# Altium PCB HIVE_BOARD.PcbDoc (part 8 of 9)
Units mil, origin at the board's own origin, x right, y up, seen from the top; angles counter-clockwise.
Board outline 4330.71 x 4330.71 mil, 8 copper layers (Top, GND_1, Signal_1, GND_2, PWR, Signal_2, GND_3, Bottom), stack 62.994 mil thick; 660 components, 468 nets, 2497 pads, 1806 vias.
Unrouted connection lines stored in the file: 30.
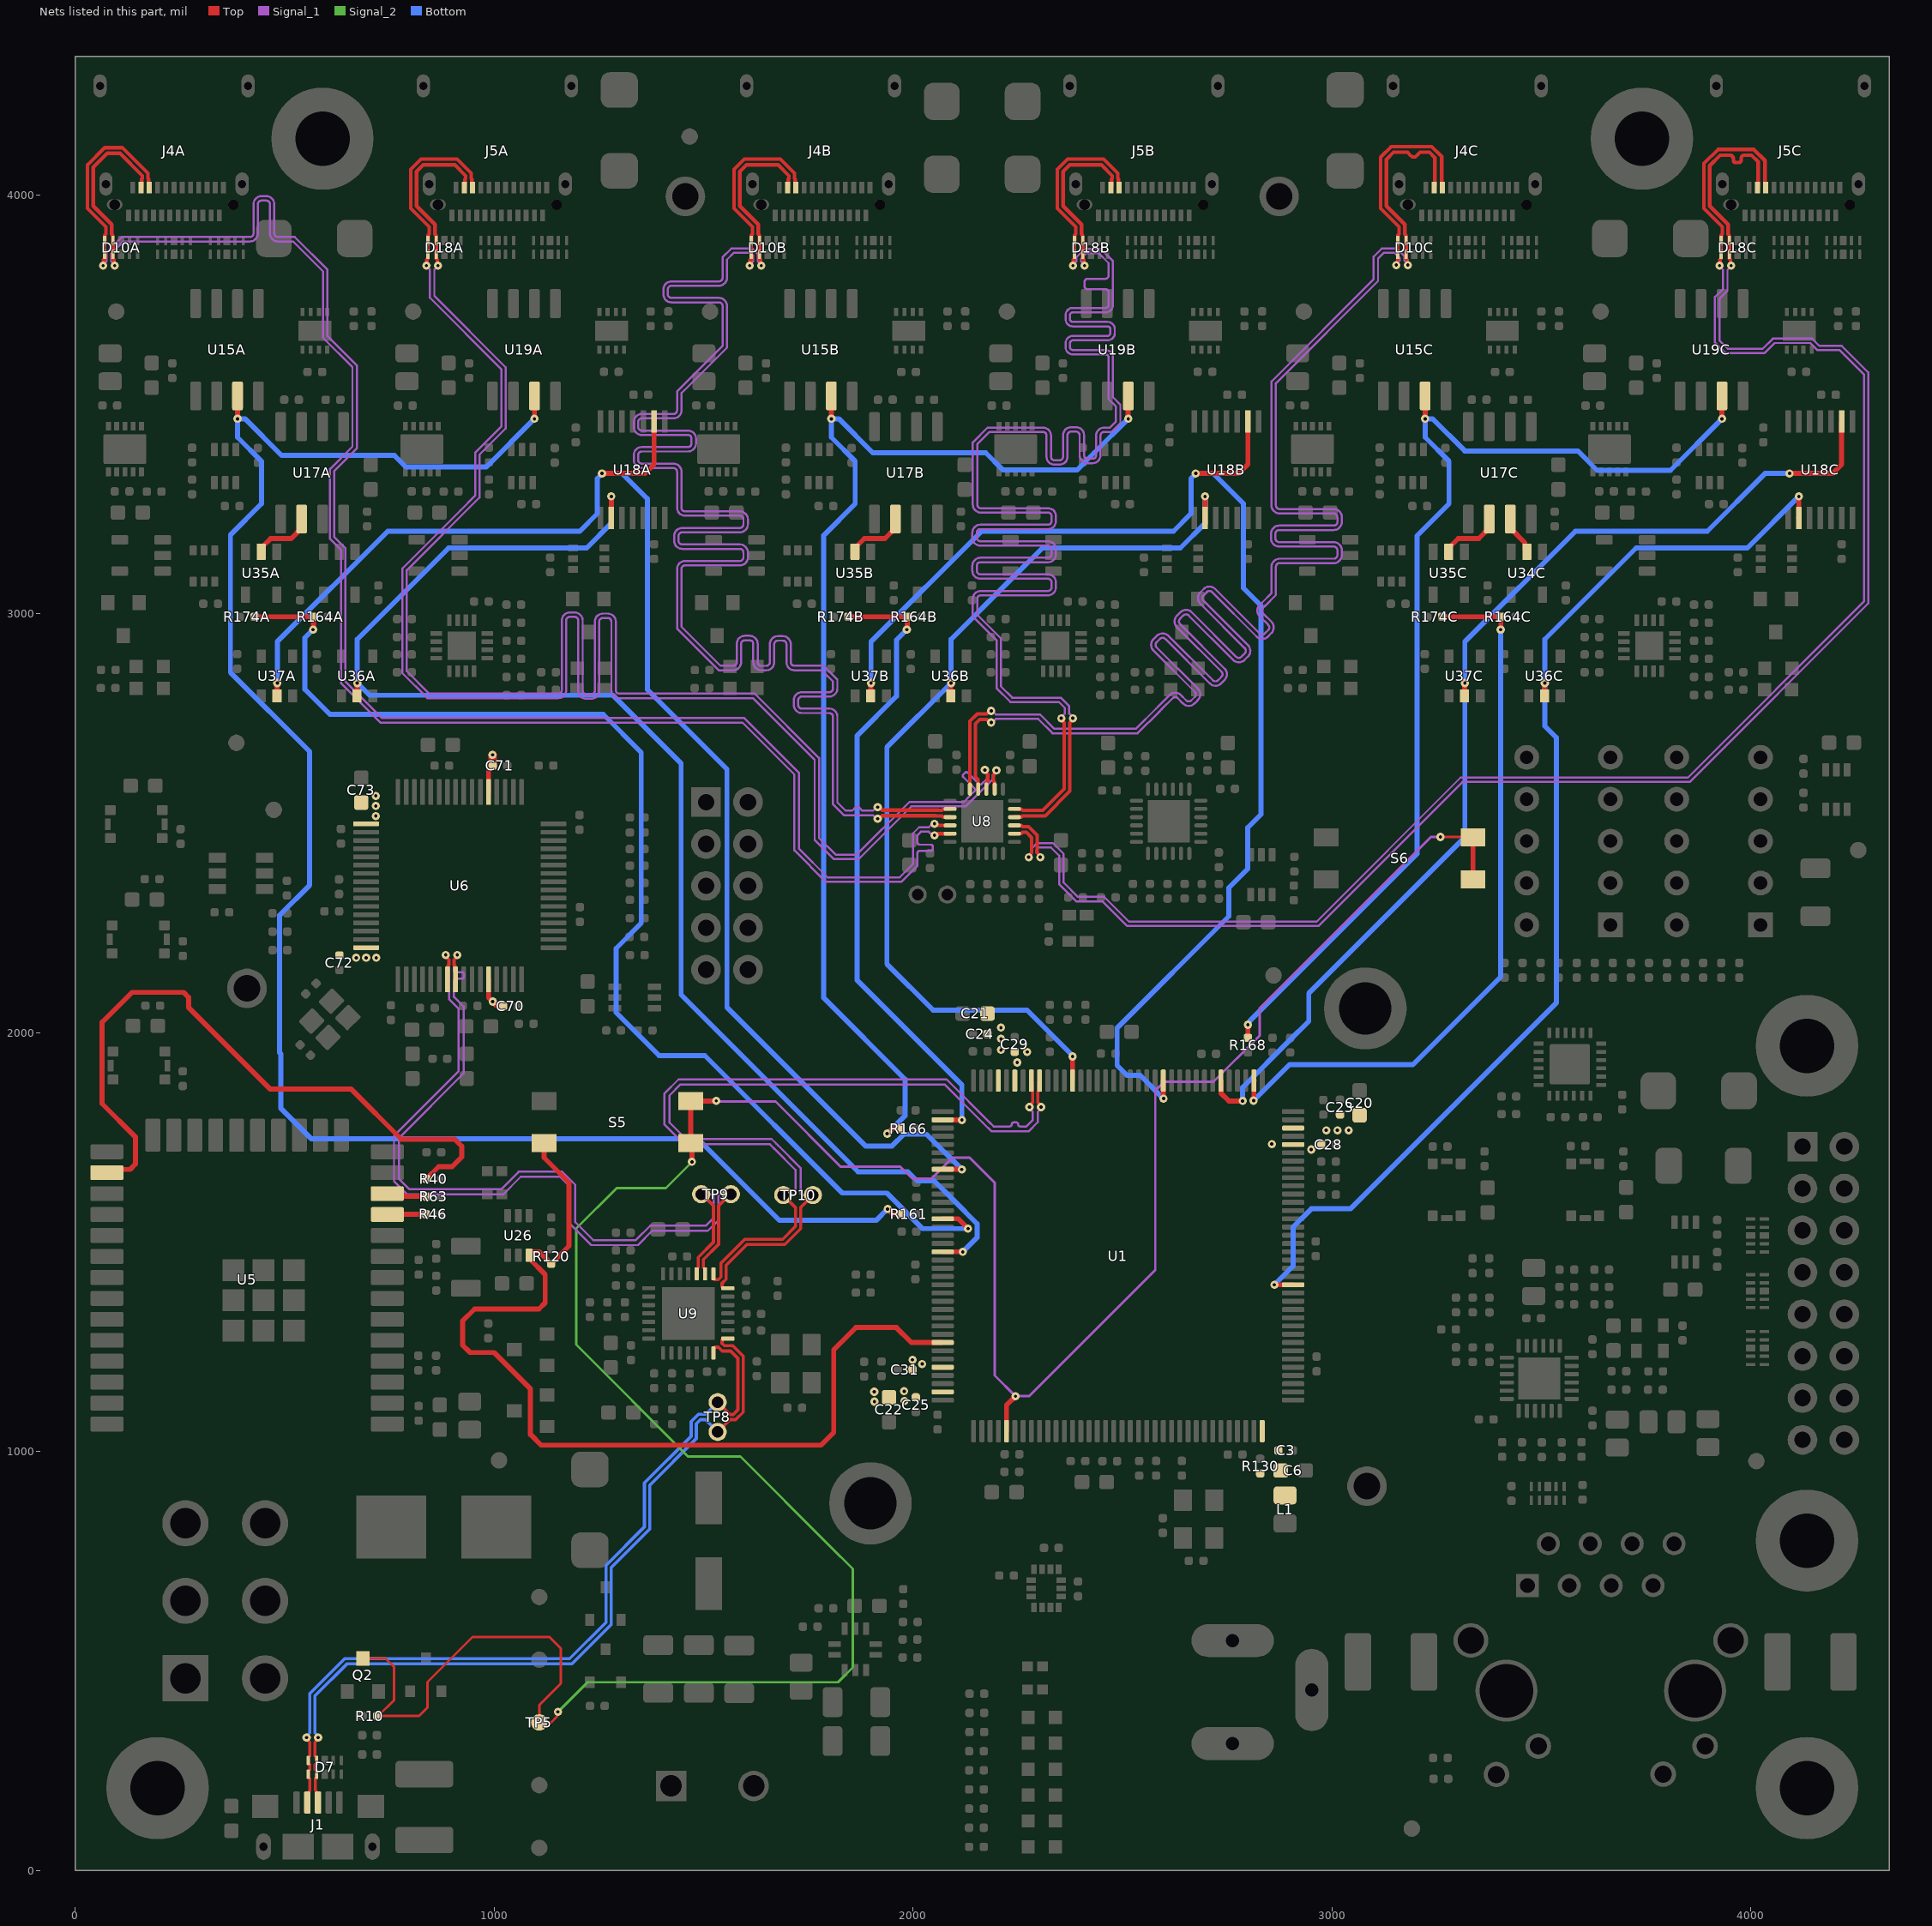
[diagram p14: the nets of this part, all layers, seen from the top]

## Via types
v1: diameter 19.68, hole 7.87, Top to Bottom, tented both sides, 1753 vias
v2: diameter 19.68, hole 7.87, Top to Bottom, 41 vias
v3: diameter 21.65, hole 7.87, Top to Bottom, tented both sides, 7 vias
v4: diameter 19.68, hole 7.87, Top to Bottom, tented bottom, 5 vias

## Nets (pads, with @x,y where several pads share a name; then routed paths per layer and width w, separated by ;. In a path a pad name is that pad's centre, name@x,y a point inside that pad or via, vN(x,y) a via of type N, cw(c..) or ccw(c..) an arc to the next point about the centre after c; other vN are vias at no path point) (continued)
SPI_MISO_0C: U17C.7 U34C.2 | length 94.6
  Top w12: U17C.7@3425.58,3226.05 3425.58,3204.4 3460.64,3169.34 3460.64,3152.76 U34C.2@3465.47,3147.93
SPI_MISO_1A: U17A.6 U35A.2 | length 146.9
  Top w12: U35A.2@444.24,3147.93 444.24,3156.79 466.87,3179.43 515.97,3179.43 540.94,3204.4 U17A.6@540.94,3226.05
SPI_MISO_1B: U17B.6 U35B.2 | length 146.9
  Top w12: U35B.2@1861.56,3147.93 1861.56,3156.79 1884.2,3179.43 1933.29,3179.43 1958.26,3204.4 U17B.6@1958.26,3226.05
SPI_MISO_1C: U17C.6 U35C.2 | length 146.9
  Top w12: U35C.2@3278.88,3147.93 3278.88,3156.79 3301.52,3179.43 3350.62,3179.43 3375.58,3204.4 U17C.6@3375.58,3226.05
SPI_MISO_A: R164A.2 R174A.2 U1.122 | length 2957.7
  Top w12: R174A.2@428.32,2992.75 R164A.2@568.82,2992.75 568.82,2961.94 v1(568.13,2961.94) ; U1.122@2070.91,1555.68 2108.11,1555.68 v1(2131.59,1532.19)
  Bottom w12: v1(568.13,2961.94) 548.6,2942.41 548.6,2819.53 608.42,2759.7 1260.62,2759.7 1351.48,2668.85 1351.48,2261.2 1291.39,2201.11 1291.39,2048.11 1394.19,1945.31 1503.36,1945.31 1831.4,1617.27 1937.53,1617.27 2022.61,1532.19 v1(2131.59,1532.19)
SPI_MISO_B: R164B.2 R174B.2 U1.110 | length 1541.1
  Top w12: R174B.2@1845.65,2992.75 R164B.2@1986.15,2992.75 1986.15,2961.94 v1(1985.45,2961.94) ; U1.110@2070.91,1791.9 2071.01,1791.81 2116.53,1791.81 v1(2116.85,1791.48)
  Bottom w12: v1(1985.45,2961.94) 1961.02,2937.5 1961.02,2803.01 1867,2709 1867,2124.96 2116.85,1875.11 v1(2116.85,1791.48)
SPI_MISO_C: R164C.2 R174C.2 U1.74 | length 1761
  Top w12: v1(2813.09,1837.66) 2813.93,1838.5 2813.93,1885.31 U1.74@2814.02,1885.4 ; R174C.2@3262.97,2992.75 R164C.2@3403.47,2992.75 3403.47,2961.94 v1(3402.77,2961.94)
  Bottom w12: v1(2813.09,1837.66) 2899.08,1923.66 3193.3,1923.66 3402.77,2133.13 v1(3402.77,2961.94)
SPI_MOSI_A: R161.1 U15A.3 U19A.3 | length 4333.4
  Top w12: U15A.3@387.74,3519.86 U15A.3@387.82,3519.78 387.82,3465.29 v1(387.91,3465.21) ; U19A.3@1096.4,3519.86 U19A.3@1096.49,3519.78 1096.49,3465.29 v1(1096.57,3465.21) ; v1(1939.53,1579.12) v1@1939.85,1579.12 ; v1@1941.78,1579.12 v1@1939.85,1579.12 ; R161.1@1972.59,1566.89 1972.5,1566.97 1951.99,1566.97 v1@1939.85,1579.12
  Bottom w12: v1(1096.57,3465.21) 981.36,3350 790,3350 762.11,3377.89 492.97,3377.89 405.65,3465.21 v1(387.91,3465.21) 387.91,3420.94 444.88,3363.97 444.88,3262.1 370.93,3188.15 370.93,2859.88 560.03,2670.77 560.03,2352.2 490.92,2283.09 488.1,2280.27 488.1,1952.08 490.92,1949.25 490.92,1819.83 564.49,1746.26 1486.92,1746.26 1681.32,1551.86 1912.28,1551.86 v1(1939.53,1579.12)
SPI_MOSI_B: R166.2 U15B.3 U19B.3 | length 2818.6
  Top w12: U15B.3@1805.06,3519.86 U15B.3@1805.15,3519.78 1805.15,3465.29 v1(1805.23,3465.21) ; v1(1938.53,1758.86) v1@1938.85,1758.86 ; v1@1940.78,1758.86 v1@1938.85,1758.86 ; R166.2@1971.59,1771.09 R166.2@1971.5,1771 1950.99,1771 v1@1938.85,1758.86 ; U19B.3@2513.72,3519.86 U19B.3@2513.81,3519.78 2513.81,3465.29 v1(2513.89,3465.21)
  Bottom w12: v1(1938.53,1758.86) 1981.06,1801.39 1981.06,1888.78 1787.09,2082.74 1787.09,3187 1862.2,3262.1 1862.2,3363.97 1805.23,3420.94 v1(1805.23,3465.21) 1822.98,3465.21 1904.09,3384.1 2173.9,3384.1 2215.16,3342.84 2391.52,3342.84 2432.78,3384.1 v1(2513.89,3465.21)
SPI_MOSI_C: R168.1 U15C.3 U19C.3 | length 2619.9
  Top w12: R168.1@2799.53,1987.65 v1@2799.53,2018.69 ; U15C.3@3222.39,3519.86 U15C.3@3222.47,3519.78 3222.47,3465.29 v1(3222.55,3465.21) ; U19C.3@3931.05,3519.86 U19C.3@3931.13,3519.78 3931.13,3465.29 v1(3931.21,3465.21)
  Bottom w12: v1(2799.65,2018.81) 2799.65,2020.89 2803.49,2024.73 2803.49,2027.3 3203,2426.81 3203,3185.58 3279.52,3262.1 3279.52,3363.97 3222.55,3420.94 v1(3222.55,3465.21) 3240.3,3465.21 3317.1,3388.41 3586.97,3388.41 3633.26,3342.12 3808.12,3342.12 v1(3931.21,3465.21)
SPI_nCS_0A: U1.126 U18A.2 U36A.2 | length 3439
  Top w12: U36A.2@673,2803.76 v1@673,2834.57 ; U18A.2@1279.72,3228.34 1280,3228.62 v1(1280,3280) ; U1.126@2070.91,1476.94 2071.01,1476.85 2118.81,1476.85 v1(2118.96,1476.7)
  Bottom w12: v1(1280,3280) 1280,3215.82 1221.18,3157 891.71,3157 673.7,2938.99 v1(673.7,2834.57) 702.94,2805.33 1284.05,2805.33 1446.53,2642.85 1446.53,2090.54 1725.4,1811.67 1869.07,1668 1988,1668 2009.75,1646.25 2050.54,1646.25 2097.16,1599.63 2153,1543.79 2153,1510.74 v1(2118.96,1476.7)
SPI_nCS_0B: U1.96 U18B.2 U36B.2 | length 2299.9
  Top w12: U36B.2@2090.32,2803.76 v1@2090.32,2834.57 ; U1.96@2380.95,1885.4 2381,1885.45 v1(2381,1943) ; U18B.2@2697.04,3228.34 2697.32,3228.62 v1(2697.32,3280)
  Bottom w12: v1(2381,1943) 2381,1945 2272.47,2053.53 2048.06,2053.53 1937.77,2163.82 1937.77,2681.32 v1(2091.02,2834.57) 2091.02,2938.99 2234.74,3082.71 2309.03,3157 2638.5,3157 2697.32,3215.82 v1(2697.32,3280)
SPI_nCS_0C: U1.51 U18C.2 U36C.2 | length 2760.8
  Top w12: v1@2862.71,1398.2 U1.51@2907.53,1398.2 U1.51@2907.61,1398.12 ; U36C.2@3507.65,2803.76 v1@3507.65,2834.57 ; U18C.2@4114.36,3228.34 4114.65,3228.62 v1(4114.65,3280)
  Bottom w12: v1(2862.59,1398.07) 2907.18,1442.67 2907.18,1535.76 2950.85,1579.43 3044.27,1579.43 3535.58,2070.74 3535.58,2175.08 3535.58,2704.35 3508.34,2731.59 v1(3508.34,2834.57) 3508.34,2938.99 3726.35,3157 3991.65,3157 v1(4114.65,3280)
SPI_nCS_1A: U1.116 U18A.9 U37A.2 | length 3573.3
  Top w12: U37A.2@482,2803.76 v1@482,2834.57 ; v1(1257.65,3334.63) 1360.19,3334.63 1382.08,3356.52 U18A.9@1382.08,3458.65 U18A.9@1383,3457.73 ; U1.116@2070.91,1673.79 2071.01,1673.7 2116.4,1673.7 v1(2116.67,1673.42)
  Bottom w12: v1(482.7,2834.57) 482.7,2933.14 746.55,3197 1204.74,3197 1246.33,3238.59 1246.33,3322.78 1257.65,3334.09 v1(1257.65,3334.63) 1305.84,3334.63 1366.22,3274.25 1366.22,2818.66 1556.17,2628.72 1556.17,2060.21 1886.83,1729.54 1950.21,1729.54 1978.14,1757.48 2032.62,1757.48 v1(2116.67,1673.42)
SPI_nCS_1B: U1.85 U18B.9 U37B.2 | length 3187.1
  Top w12: U37B.2@1899.32,2803.76 v1@1899.32,2834.57 ; U1.85@2597.49,1885.4 2597.58,1885.31 2597.58,1843.17 v1(2598.18,1842.57) ; v1(2674.97,3334.63) 2777.51,3334.63 2799.4,3356.52 U18B.9@2799.4,3458.65
  Bottom w12: v1(1900.02,2834.57) 1900.02,2933.14 2163.87,3197 2622.07,3197 2663.68,3238.61 2663.68,3322.78 2674.97,3334.07 v1(2674.97,3334.63) 2717.2,3334.63 2788.91,3262.92 2788.91,3061.1 2830.75,3019.26 2830.75,2520.9 2799.11,2489.26 2799.11,2390.86 2754,2345.75 2754,2277.96 2487.43,2011.39 2487.43,1921.46 2510.73,1898.16 2542.58,1898.16 v1(2598.18,1842.57)
SPI_nCS_1C: U1.78 U18C.9 U37C.2 | length 2614
  Top w12: U1.78@2735.28,1885.4 2735.28,1855.72 2754,1837 v1(2787,1837) ; U37C.2@3316.65,2803.76 v1@3316.65,2834.57 ; v1(4092.29,3334.63) 4194.84,3334.63 4216.73,3356.52 U18C.9@4216.73,3458.65 U18C.9@4217.65,3457.73
  Bottom w12: v1(2787,1837) 2787,1869.24 2899.08,1981.32 2944.89,2027.13 2944.89,2093.89 3317.34,2466.34 3317.34,2933.14 3581.2,3197 3896.25,3197 4033.89,3334.63 v1(4092.29,3334.63)
  other v1: 3317.34,2834.57
SYNC_0A_N: D10A.5 D10A.6 J4A.B3 U8.4 | length 4147.8
  Top w8.5: v1(66.88,3830.91) 68.08,3832.1 68.08,3844.66 D10A.6@70.87,3847.45 ; 71.18,3844.55 71.18,3857.27 D10A.6@70.87,3857.58 D10A.5@70.87,3890.45 71.18,3890.77 71.18,3903.48 73.96,3906.26 73.96,3923.46 29.9,3967.53 29.9,4071.19 71.09,4112.39 112.74,4112.39 174.06,4051.07 174.06,4038.44 175.5,4037 175.5,4018.97 J4A.B3@177.16,4017.31 ; v1(2051.36,2498.59) 2054.92,2498.59 2058.9,2494.61 U8.4@2088.74,2494.61
  Signal_1 w5: v1(66.88,3830.91) 66.88,3832.6 75.46,3841.18 75.46,3862.94 111.52,3899 393.36,3899 409.32,3899 417.07,3899 ccw(c417.07,3907.7) 425.77,3907.7 425.77,3977.23 cw(c444.97,3977.23) 444.97,3996.43 456.57,3996.43 cw(c456.57,3977.23) 475.77,3977.23 475.77,3907.7 ccw(c484.47,3907.7) 484.47,3899 509.93,3899 524.58,3899 602.55,3821.03 602.55,3662.81 672.56,3592.79 672.56,3394.66 619.03,3341.13 619.03,3182.8 645.03,3156.81 645.03,2838.59 732.92,2750.7 1597.3,2750.7 1727.62,2620.38 1727.62,2439.38 1796.6,2370.4 1968.11,2370.4 2000.3,2402.6 2000.3,2475.86 2014.45,2490.01 2037.88,2490.01 v1@2046.45,2498.59
SYNC_0A_P: D10A.4 D10A.7 J4A.B2 U8.5 | length 4147.8
  Top w8.5: v1(94.54,3830.91) 93.34,3832.1 93.34,3844.66 90.55,3847.45 D10A.7@90.55,3857.58 D10A.4@90.55,3890.45 90.24,3890.77 90.24,3903.48 87.46,3906.26 87.46,3929.06 43.4,3973.12 43.4,4065.6 76.69,4098.89 107.15,4098.89 160.56,4045.48 160.56,4038.44 159.13,4037 159.13,4018.97 J4A.B2@157.47,4017.31 ; v1(2051.36,2470.94) 2054.92,2470.94 2058.9,2474.92 U8.5@2088.74,2474.92
  Signal_1 w5: v1(94.54,3830.91) 94.54,3832.6 85.96,3841.18 85.96,3858.59 115.87,3888.5 409.32,3888.5 417.07,3888.5 ccw(c417.07,3907.7) 436.27,3907.7 436.27,3977.23 cw(c444.97,3977.23) 444.97,3985.93 456.57,3985.93 cw(c456.57,3977.23) 465.27,3977.23 465.27,3907.7 ccw(c484.47,3907.7) 484.47,3888.5 509.93,3888.5 520.23,3888.5 592.05,3816.68 592.05,3658.46 662.06,3588.44 662.06,3399.01 608.53,3345.48 608.53,3178.45 634.53,3152.46 634.53,2834.24 728.57,2740.2 1592.96,2740.2 1717.12,2616.03 1717.12,2435.03 1792.25,2359.9 1972.46,2359.9 2010.8,2398.25 2010.8,2411.17 2010.8,2428.67 cw(c2015.8,2428.67) 2015.8,2433.67 2042.96,2433.67 ccw(c2042.96,2438.17) 2047.46,2438.17 2047.46,2444.17 ccw(c2042.96,2444.17) 2042.96,2448.67 2015.8,2448.67 cw(c2015.8,2453.67) 2010.8,2453.67 2010.8,2461.22 2010.8,2471.51 2018.8,2479.51 2037.88,2479.51 v1@2046.45,2470.94
SYNC_0B_N: D10B.5 D10B.6 J4B.B3 U8.2 | length 4191.7
  Top w8.5: v1(1610.19,3830.92) 1611.39,3832.12 1611.39,3844.68 1614.18,3847.46 D10B.6@1614.18,3857.59 ; 1614.49,3844.57 1614.49,3857.28 D10B.6@1614.18,3857.59 ; J4B.B3@1720.47,4017.33 1718.81,4018.98 1718.81,4037.01 1717.38,4038.45 1717.38,4051.08 1683.63,4084.83 1597.17,4084.83 1573.21,4060.87 1573.21,3967.54 1617.27,3923.48 1617.27,3906.27 1614.49,3903.49 1614.49,3890.78 D10B.5@1614.17,3890.45 D10B.6@1614.18,3857.59 ; v1(1915.77,2538.24) 1919.33,2538.24 1926.41,2531.17 2059.96,2531.17 2060.24,2530.88 2069.51,2530.88 2072.35,2533.72 2088.48,2533.72 U8.2@2088.74,2533.98
  Signal_1 w5: v1(1610.19,3830.92) 1610.19,3832.62 1618.77,3841.19 1618.77,3854.86 1612.49,3861.14 1572.01,3861.14 1556.01,3845.15 1556.01,3824.63 1556.01,3801.9 cw(c1536.81,3801.9) 1536.81,3782.7 1423.55,3782.7 ccw(c1423.55,3774) 1414.85,3774 1414.85,3762.4 ccw(c1423.55,3762.4) 1423.55,3753.7 1536.81,3753.7 cw(c1536.81,3734.5) 1556.01,3734.5 1556.01,3726.74 1556.01,3634.92 1453.7,3532.61 1447.4,3526.31 1447.4,3485.36 cw(c1428.2,3485.36) 1428.2,3466.16 1352.79,3466.16 ccw(c1352.79,3457.46) 1344.09,3457.46 1344.09,3445.86 ccw(c1352.79,3445.86) 1352.79,3437.16 1462.85,3437.16 cw(c1462.85,3417.96) 1482.05,3417.96 1482.05,3406.36 cw(c1462.85,3406.36) 1462.85,3387.16 1352.79,3387.16 ccw(c1352.79,3378.46) 1344.09,3378.46 1344.09,3366.86 ccw(c1352.79,3366.86) 1352.79,3358.16 1428.2,3358.16 cw(c1428.2,3338.96) 1447.4,3338.96 1447.4,3299.06 1447.4,3260.71 1447.4,3252.96 ccw(c1456.1,3252.96) 1456.1,3244.26 1586.74,3244.26 cw(c1586.74,3225.06) 1605.94,3225.06 1605.94,3213.46 cw(c1586.74,3213.46) 1586.74,3194.26 1449.22,3194.26 ccw(c1449.22,3185.56) 1440.52,3185.56 1440.52,3173.96 ccw(c1449.22,3173.96) 1449.22,3165.26 1586.74,3165.26 cw(c1586.74,3146.06) 1605.94,3146.06 1605.94,3134.46 cw(c1586.74,3134.46) 1586.74,3115.26 1456.1,3115.26 ccw(c1456.1,3106.56) 1447.4,3106.56 1447.4,3081.94 1447.4,2968.99 1540.81,2875.59 1562.93,2875.59 1570.69,2875.59 ccw(c1570.69,2884.29) 1579.39,2884.29 1579.39,2927.97 cw(c1598.59,2927.97) 1598.59,2947.17 1610.19,2947.17 cw(c1610.19,2927.97) 1629.39,2927.97 1629.39,2884.14 ccw(c1638.09,2884.14) 1638.09,2875.44 1649.69,2875.44 ccw(c1649.69,2884.14) 1658.39,2884.14 1658.39,2927.14 cw(c1677.59,2927.14) 1677.59,2946.34 1689.19,2946.34 cw(c1689.19,2927.14) 1708.39,2927.14 1708.39,2884.29 ccw(c1717.09,2884.29) 1717.09,2875.59 1776.23,2875.59 1786.42,2875.59 1811.47,2850.54 1819.6,2842.4 1819.6,2821.52 cw(c1800.4,2821.52) 1800.4,2802.32 1734.95,2802.32 ccw(c1734.95,2793.62) 1726.25,2793.62 1726.25,2782.02 ccw(c1734.95,2782.02) 1734.95,2773.32 1800.4,2773.32 cw(c1800.4,2754.12) 1819.6,2754.12 1819.6,2746.37 1819.6,2549.59 1839.52,2529.67 1854.99,2529.67 1859.49,2534.17 1859.49,2534.48 1863.99,2538.98 1869.99,2538.98 1874.49,2534.48 1874.49,2534.17 1878.99,2529.67 1896.49,2529.67 1904.52,2529.67 1913.09,2538.24 v1(1915.77,2538.24)
SYNC_0B_P: D10B.4 D10B.7 J4B.B2 U8.3 | length 4191.7
  Top w8.5: 1633.55,3844.57 1633.55,3857.28 D10B.7@1633.86,3857.59 ; v1(1637.85,3830.92) 1636.65,3832.12 1636.65,3844.68 1633.86,3847.46 D10B.7@1633.86,3857.59 ; J4B.B2@1700.78,4017.33 1702.44,4018.98 1702.44,4037.01 1703.88,4038.45 1703.88,4045.49 1678.04,4071.33 1602.76,4071.33 1586.71,4055.28 1586.71,3973.13 1630.77,3929.07 1630.77,3906.27 1633.55,3903.49 1633.55,3890.78 D10B.4@1633.86,3890.45 D10B.7@1633.86,3857.59 ; v1(1915.77,2510.59) 1919.33,2510.59 1926.41,2517.67 2054.37,2517.67 2054.65,2517.38 2069.51,2517.38 2072.35,2514.55 2088.48,2514.55 U8.3@2088.74,2514.29
  Signal_1 w5: v1(1637.85,3830.92) 1637.85,3832.62 1629.27,3841.19 1629.27,3859.21 1616.84,3871.64 1566.59,3871.64 1545.51,3850.56 1545.51,3824.63 1545.51,3801.9 cw(c1536.81,3801.9) 1536.81,3793.2 1423.55,3793.2 ccw(c1423.55,3774) 1404.35,3774 1404.35,3762.4 ccw(c1423.55,3762.4) 1423.55,3743.2 1536.81,3743.2 cw(c1536.81,3734.5) 1545.51,3734.5 1545.51,3726.74 1545.51,3639.27 1438.86,3532.61 1436.9,3530.66 1436.9,3485.36 cw(c1428.2,3485.36) 1428.2,3476.66 1352.79,3476.66 ccw(c1352.79,3457.46) 1333.59,3457.46 1333.59,3445.86 ccw(c1352.79,3445.86) 1352.79,3426.66 1462.85,3426.66 cw(c1462.85,3417.96) 1471.55,3417.96 1471.55,3406.36 cw(c1462.85,3406.36) 1462.85,3397.66 1352.79,3397.66 ccw(c1352.79,3378.46) 1333.59,3378.46 1333.59,3366.86 ccw(c1352.79,3366.86) 1352.79,3347.66 1428.2,3347.66 cw(c1428.2,3338.96) 1436.9,3338.96 1436.9,3299.06 1436.9,3260.71 1436.9,3252.96 ccw(c1456.1,3252.96) 1456.1,3233.76 1586.74,3233.76 cw(c1586.74,3225.06) 1595.44,3225.06 1595.44,3213.46 cw(c1586.74,3213.46) 1586.74,3204.76 1449.22,3204.76 ccw(c1449.22,3185.56) 1430.02,3185.56 1430.02,3173.96 ccw(c1449.22,3173.96) 1449.22,3154.76 1586.74,3154.76 cw(c1586.74,3146.06) 1595.44,3146.06 1595.44,3134.46 cw(c1586.74,3134.46) 1586.74,3125.76 1456.1,3125.76 ccw(c1456.1,3106.56) 1436.9,3106.56 1436.9,3081.94 1436.9,2964.64 1536.46,2865.09 1562.93,2865.09 1570.69,2865.09 ccw(c1570.69,2884.29) 1589.89,2884.29 1589.89,2927.97 cw(c1598.59,2927.97) 1598.59,2936.67 1610.19,2936.67 cw(c1610.19,2927.97) 1618.89,2927.97 1618.89,2884.14 ccw(c1638.09,2884.14) 1638.09,2864.94 1649.69,2864.94 ccw(c1649.69,2884.14) 1668.89,2884.14 1668.89,2927.14 cw(c1677.59,2927.14) 1677.59,2935.84 1689.19,2935.84 cw(c1689.19,2927.14) 1697.89,2927.14 1697.89,2884.29 ccw(c1717.09,2884.29) 1717.09,2865.09 1776.23,2865.09 1782.07,2865.09 1796.62,2850.54 1809.1,2838.06 1809.1,2821.52 cw(c1800.4,2821.52) 1800.4,2812.82 1734.95,2812.82 ccw(c1734.95,2793.62) 1715.75,2793.62 1715.75,2782.02 ccw(c1734.95,2782.02) 1734.95,2762.82 1800.4,2762.82 cw(c1800.4,2754.12) 1809.1,2754.12 1809.1,2746.37 1809.1,2545.24 1835.17,2519.17 1904.52,2519.17 1913.09,2510.59 v1(1915.77,2510.59)
SYNC_0C_N: D10C.5 D10C.6 J4C.B3 U8.22 | length 4191.2
  Top w8.5: U8.22@2155.67,2581.22 2155.41,2581.48 2155.41,2604.59 2149.48,2610.52 2149.48,2737.5 2159.35,2747.36 2176.09,2747.36 2183.17,2740.29 v1(2186.73,2740.29) ; v1(3153.5,3832) 3153.5,3835.56 3157.17,3839.23 3157.17,3857.27 D10C.6@3157.48,3857.58 D10C.5@3157.48,3890.45 3157.8,3890.77 3157.8,3903.48 3160.58,3906.26 3160.58,3923.47 3116.52,3967.53 3116.52,4089.73 3141.47,4114.68 3238.41,4114.68 3262.12,4090.97 3262.12,4018.97 J4C.B3@3263.78,4017.32
  Signal_1 w5: v1(2186.73,2740.29) 2189.41,2740.29 2197.99,2748.86 2299.01,2748.86 2333.27,2714.6 2536.28,2714.6 2587.97,2766.29 2593.44,2771.76 ; 2581.63,2931.81 ccw(c2587.77,2925.65) 2581.59,2919.52 2680.06,2821.05 cw(c2666.51,2807.45) 2680.09,2793.87 2671.89,2785.67 cw(c2658.31,2799.25) 2644.73,2785.67 2632.22,2798.18 ccw(c2626.04,2792.06) 2619.88,2798.19 2593.46,2771.77 ; 2581.64,2931.82 2589.8,2939.98 cw(c2595.97,2933.85) 2602.15,2939.98 2708.39,2833.74 ; 2637.49,2987.67 ccw(c2643.63,2981.51) 2637.45,2975.38 2745.32,2867.52 2745.32,2867.32 cw(c2730.21,2855.48) 2743.78,2841.9 2735.58,2833.7 cw(c2722,2847.27) 2708.39,2833.73 ; 2637.5,2987.68 2645.66,2995.84 cw(c2651.83,2989.71) 2658.01,2995.84 2764.25,2889.6 ccw(c2777.86,2903.14) 2791.44,2889.56 2799.64,2897.76 ccw(c2786.07,2911.34) 2801.18,2923.18 2801.18,2923.38 2693.31,3031.24 cw(c2699.49,3037.37) 2693.35,3043.53 2701.52,3051.7 cw(c2707.69,3045.57) 2713.87,3051.7 2820.11,2945.46 ccw(c2833.73,2959) 2847.3,2945.42 2855.5,2953.62 ccw(c2841.93,2967.2) 2857.04,2979.04 2857.04,2979.24 2835.15,3001.13 ; 2835.12,3001.16 cw(c2841.29,3007.3) 2835.12,3013.44 ; 2835.16,3013.47 2840.61,3018.93 2866.46,3044.78 2866.46,3082.19 2866.46,3112.06 cw(c2875.16,3112.06) 2875.16,3120.76 3004.32,3120.76 ccw(c3004.32,3139.96) 3023.52,3139.96 3023.52,3151.56 ccw(c3004.32,3151.56) 3004.32,3170.76 2874.06,3170.76 cw(c2874.06,3179.46) 2865.36,3179.46 2865.36,3191.06 cw(c2874.06,3191.06) 2874.06,3199.76 3004.32,3199.76 ccw(c3004.32,3218.96) 3023.52,3218.96 3023.52,3230.56 ccw(c3004.32,3230.56) 3004.32,3249.76 2875.16,3249.76 cw(c2875.16,3258.46) 2866.46,3258.46 2866.46,3266.21 2866.46,3550.15 3110.19,3793.87 3110.19,3847.91 3123.47,3861.19 3150.22,3861.19 3162.07,3849.34 3162.07,3843.26 3153.5,3834.68 v1(3153.5,3832)
SYNC_0C_P: D10C.4 D10C.7 J4C.B2 U8.23 | length 4191.7
  Top w8.5: U8.23@2135.98,2581.22 2135.98,2743.09 2153.76,2760.86 2176.09,2760.86 2183.17,2767.94 v1(2186.73,2767.94) ; v1(3181.15,3832) 3181.15,3835.56 3179.96,3836.75 3179.96,3844.67 3177.17,3847.45 3177.17,3857.58 3177.17,3890.46 3176.86,3890.77 3176.86,3903.48 3174.08,3906.26 3174.08,3929.06 3130.02,3973.12 3130.02,4084.13 3147.07,4101.18 3157.89,4101.18 3180.64,4101.18 3186.19,4095.63 3191.74,4090.08 3199.14,4090.08 3204.69,4095.63 3210.24,4101.18 3224.71,4101.18 3232.82,4101.18 3245.75,4088.25 3245.75,4018.97 J4C.B2@3244.09,4017.32
  Signal_1 w5: v1(2186.73,2767.94) 2189.41,2767.94 2197.99,2759.36 2303.36,2759.36 2337.62,2725.1 2531.93,2725.1 2580.55,2773.71 2586.02,2779.18 2612.47,2805.63 cw(c2626.04,2792.06) 2639.64,2805.61 2652.13,2793.12 ; 2607.81,2948.96 2608.01,2948.96 2715.88,2841.1 ccw(c2722,2847.27) 2728.17,2841.14 2736.33,2849.3 ccw(c2730.21,2855.48) 2736.33,2861.65 ; 2607.81,2948.96 ccw(c2595.97,2933.85) 2582.4,2947.43 2574.19,2939.22 ccw(c2587.77,2925.65) 2574.23,2912.04 2672.66,2813.6 cw(c2666.51,2807.45) 2672.65,2801.28 ; 2652.14,2793.11 ccw(c2658.31,2799.25) 2664.47,2793.11 ; 2664.49,2793.12 2672.64,2801.27 ; 2736.32,2861.67 2630.09,2967.9 cw(c2643.63,2981.51) 2630.05,2995.08 2638.26,3003.29 cw(c2651.83,2989.71) 2663.67,3004.82 2663.87,3004.82 2771.74,2896.96 ccw(c2777.86,2903.14) 2784.03,2897 2792.19,2905.16 ; 2792.21,2905.17 ccw(c2786.07,2911.34) 2792.19,2917.52 2685.95,3023.76 cw(c2699.49,3037.37) 2685.92,3050.95 2694.12,3059.15 cw(c2707.69,3045.57) 2719.54,3060.69 2719.73,3060.69 2827.6,2952.82 ccw(c2833.73,2959) 2839.89,2952.86 ; 2839.9,2952.87 2848.06,2961.02 ccw(c2841.93,2967.2) 2848.05,2973.38 ; 2848.04,2973.39 2827.74,2993.69 cw(c2841.29,3007.3) 2827.73,3020.9 2833.19,3026.36 2855.96,3049.12 2855.96,3082.19 2855.96,3112.06 cw(c2875.16,3112.06) 2875.16,3131.26 3004.32,3131.26 ccw(c3004.32,3139.96) 3013.02,3139.96 3013.02,3151.56 ccw(c3004.32,3151.56) 3004.32,3160.26 2874.06,3160.26 cw(c2874.06,3179.46) 2854.86,3179.46 2854.86,3191.06 cw(c2874.06,3191.06) 2874.06,3210.26 3004.32,3210.26 ccw(c3004.32,3218.96) 3013.02,3218.96 3013.02,3230.56 ccw(c3004.32,3230.56) 3004.32,3239.26 2875.16,3239.26 cw(c2875.16,3258.46) 2855.96,3258.46 2855.96,3266.21 2855.96,3554.5 3099.69,3798.22 3099.69,3852.26 3119.12,3871.69 3154.57,3871.69 3172.57,3853.69 3172.57,3843.26 3181.15,3834.68 v1(3181.15,3832)